# KiCad board gd rev3.kicad_pcb (continued)
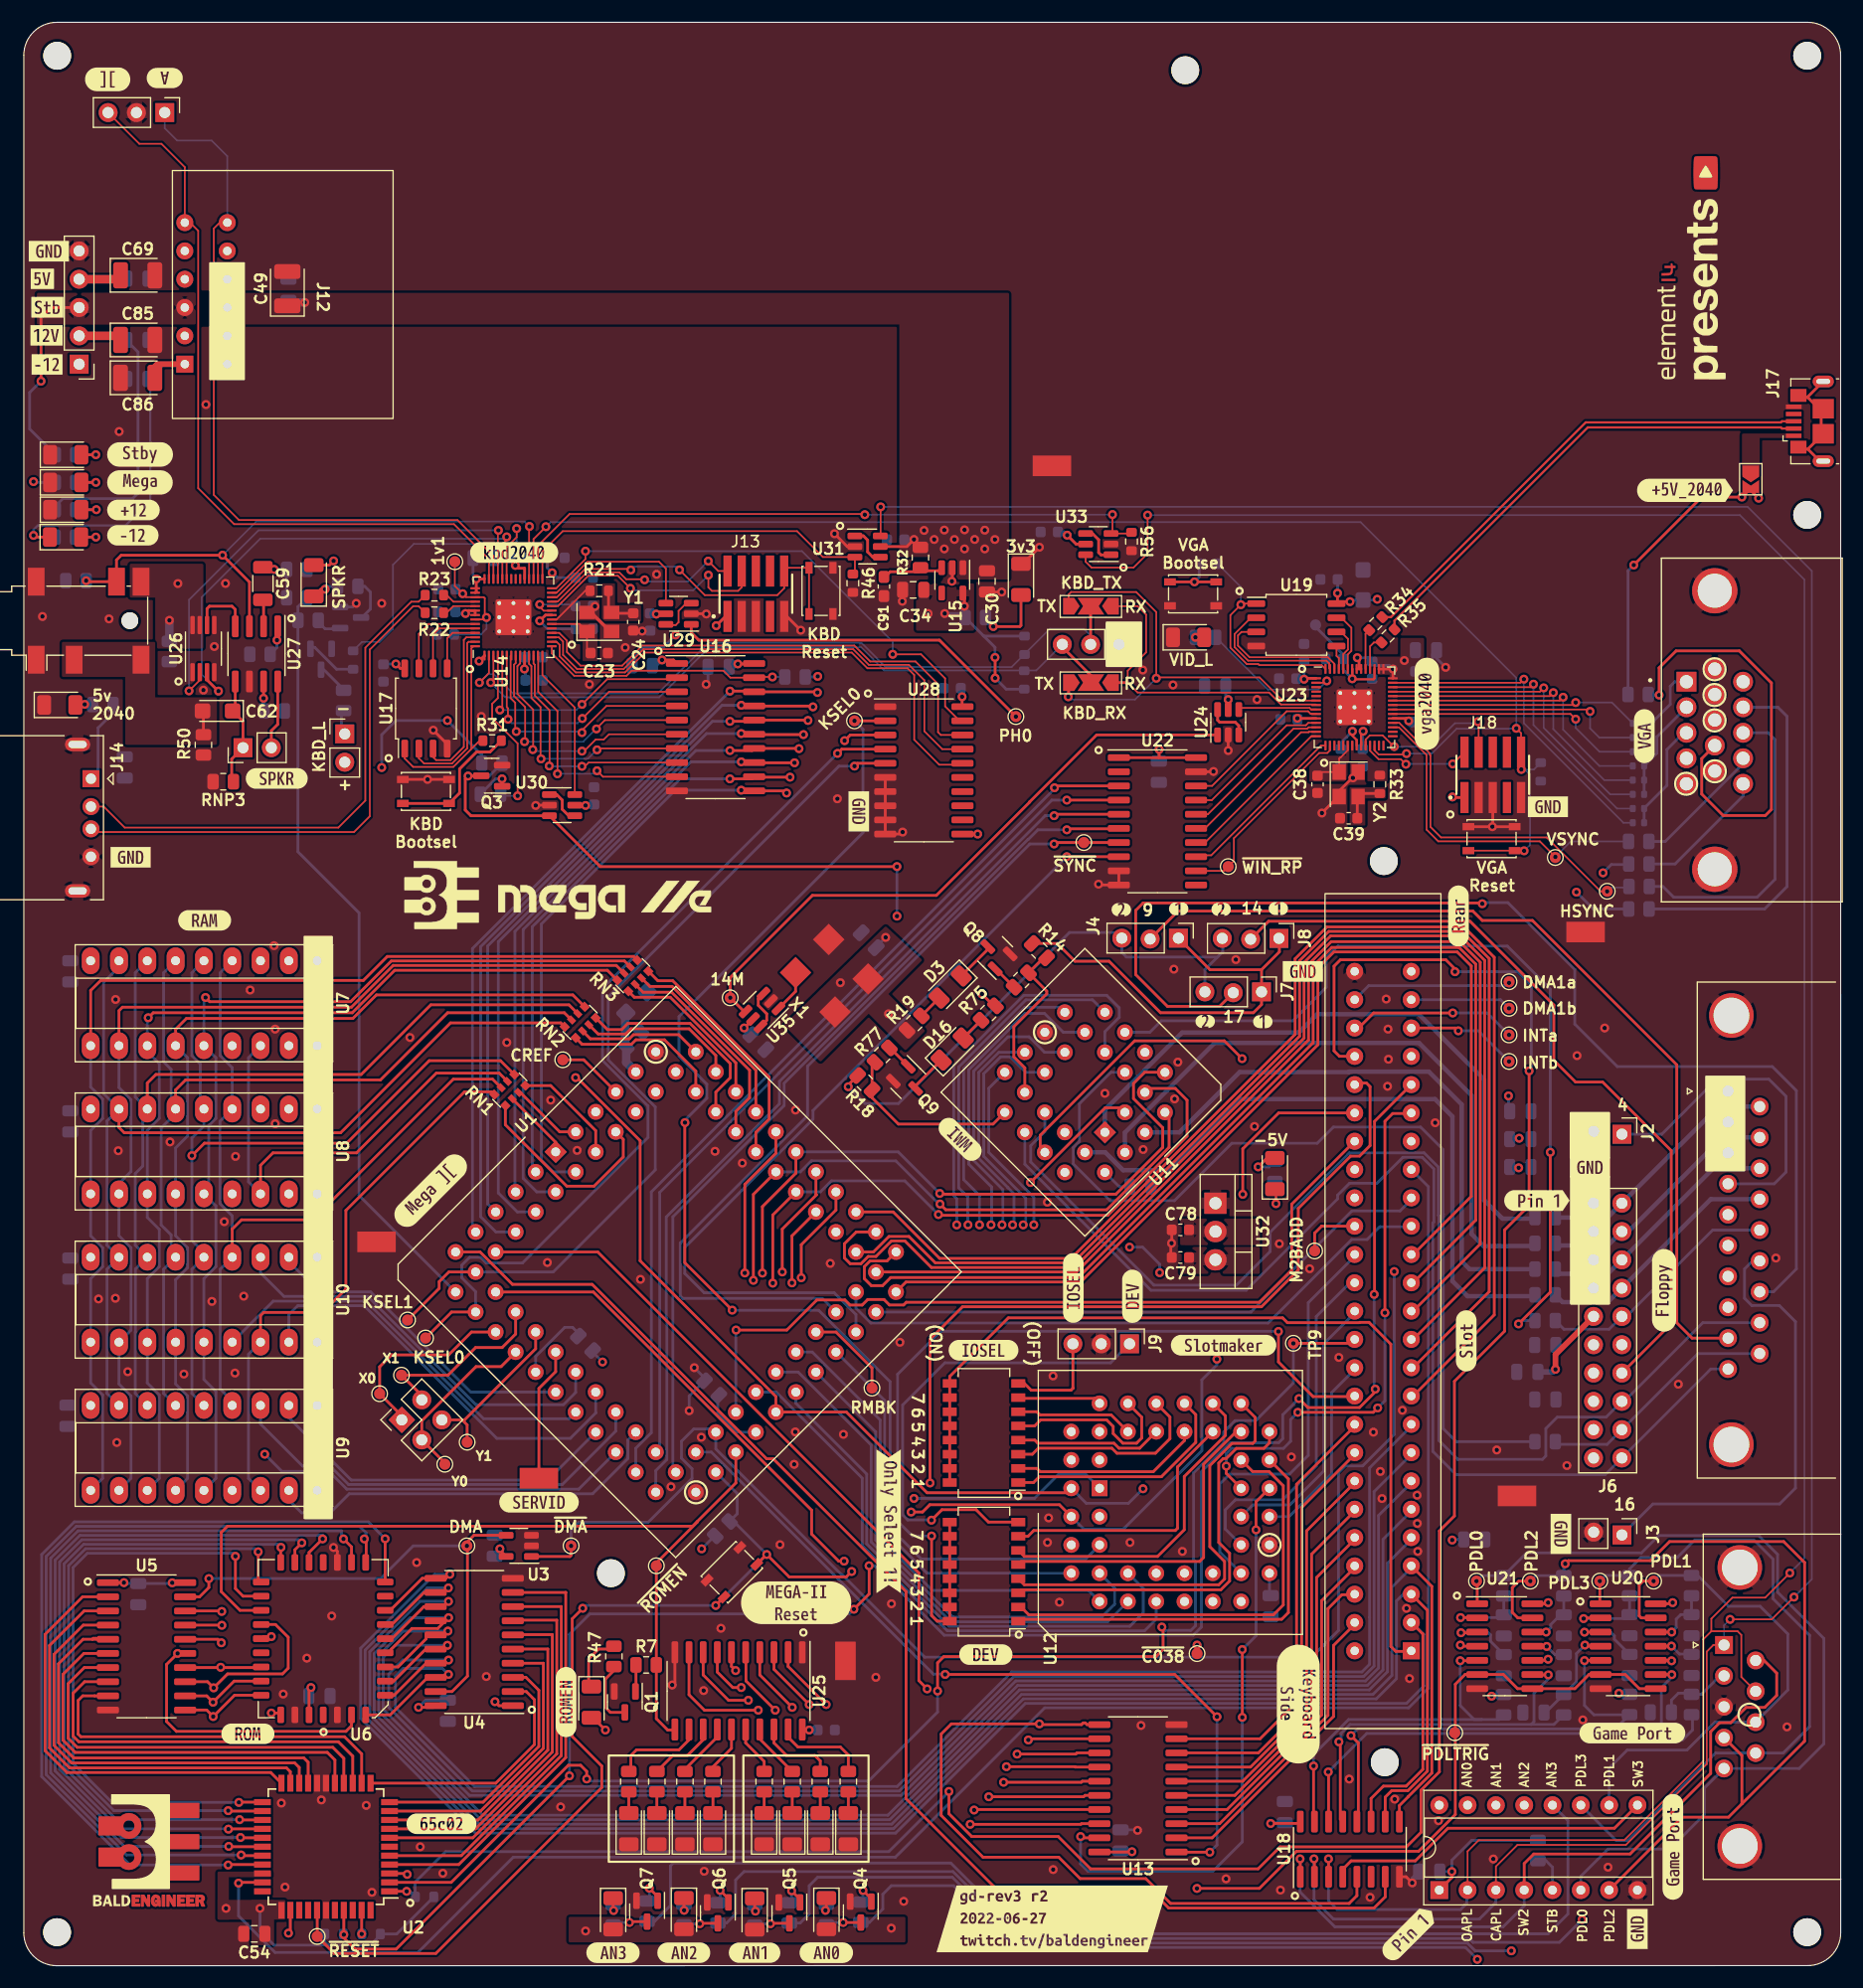
[diagram p0: board, top side]
## Routing (per net, layer and track width the routed paths; a pad name or vN(x,y) marks a point on that pad's centre or on a via; arc(x,y) is an arc through that point) (continued)
  Bottom w0.25: v1(82.18,69.29) 78.45,73.02 U1.64 ; v1(38.1,32.69) 35.56,32.69 31.04,28.16 31.04,22.52 40.86,12.7 77.87,12.7 89.51,24.34 121.04,24.34 122.76,26.06 122.76,33.98 124.6,35.83
/IWM/BA3: length 250.8
  Top w0.25: v1(38.11,31.23) 37.15,30.26 34.83,30.26 32.99,28.42 32.99,28.08 ; U1.63 67.2,67.36 v1(67.2,61.25) ; 100.94,78.72 103.31,78.72 104.37,77.66 104.37,74.44 97.26,67.33 82.14,67.33 v1(82.06,67.4)
  In1.Cu w0.25: v1(38.11,31.23) 45.18,24.16 50.23,24.16 70.26,44.19 70.26,51.88 67.2,54.94 v1(67.2,61.25)
  Bottom w0.25: v1(38.11,31.23) 34.67,31.23 31.44,28 31.44,22.69 41.03,13.1 77.69,13.1 89.33,24.74 120.71,24.74 122.35,26.38 122.35,36.12 124.6,38.37 ; U1.63 71.47,69.43 72.46,70.42 79.04,70.42 82.06,67.4 v1(82.06,67.4)
/IWM/BA4: length 209.4
  Top w0.25: U1.62 71.07,69.22 71.12,69.17 68.05,66.1 v1(68.05,62.25) ; 36.09,29.68 36.09,29.32 33.58,26.81 32.57,26.81 ; v1(38.05,30.03) 37.71,29.68
  In1.Cu w0.25: v1(38.05,30.03) 38.05,29.66 40.34,27.38 40.34,23.38 41.27,22.45 49.09,22.45 70.99,44.35 70.99,51.72 68.05,54.66 v1(68.05,62.25)
  Bottom w0.25: v1(38.05,30.03) 34.04,30.03 31.85,27.83 31.85,22.85 41.19,13.5 77.52,13.5 89.17,25.15 120.55,25.15 121.95,26.55 121.95,38.26 124.6,40.91
/IWM/BA5: length 206.3
  Top w0.25: v1(68.92,61.27) 68.92,65.49 U1.61 ; 32.56,25.54 33.19,25.54 36.06,28.41 37.67,28.41 v1(38.01,28.75)
  In1.Cu w0.25: v1(68.92,61.27) 68.92,57.04 72.15,53.81 72.15,44.94 49.26,22.05 41.11,22.05 39.94,23.22 39.94,23.22 39.63,23.53 39.63,27.13 v1(38.01,28.75)
  Bottom w0.25: 124.6,43.45 121.55,40.39 121.55,26.72 120.38,25.55 89,25.55 78.73,15.28 39.99,15.28 32.25,23.02 32.25,27.67 33.33,28.75 v1(38.01,28.75)
/IWM/BA6: length 207.7
  Top w0.25: v1(38.11,27.43) 37.83,27.14 36.1,27.14 33.23,24.27 32.56,24.27 ; v1(69.75,61.73) 69.75,64.69 72.87,67.81 U1.60
  In1.Cu w0.25: v1(38.11,27.43) 39.04,26.5 39.04,23.55 39.53,23.05 39.53,23.05 40.94,21.64 49.42,21.64 72.55,44.77 72.55,53.98 69.75,56.78 v1(69.75,61.73)
  Bottom w0.25: v1(38.11,27.43) 34,27.43 32.75,26.18 32.75,23.18 39.35,16.58 40.25,15.68 78.56,15.68 88.83,25.95 120.22,25.95 121.15,26.88 121.15,42.53 124.6,45.99
/IWM/BA7: length 207.5
  Top w0.25: U6.4 32.88,22.51 36.24,25.87 37.84,25.87 v1(38.1,26.14)
  In1.Cu w0.25: U1.59 70.53,63.5 70.53,58.8 74.67,54.66 74.67,46.17 49.73,21.24 40.77,21.24 38.57,23.45 38.57,25.67 v1(38.1,26.14)
  Bottom w0.25: v1(38.1,26.14) 37.56,26.68 34.05,26.68 33.35,25.98 33.35,23.18 40.44,16.08 78.36,16.08 88.64,26.36 120.05,26.36 120.75,27.05 120.75,31.26 120.75,44.67 124.6,48.53
/IWM/BA8: length 248.1
  Top w0.25: 124.6,51.07 131.93,58.4 131.93,90.48 129.2,93.21 116.92,93.21 114.06,90.35 114.06,83.56 93.96,63.47 82.17,63.47 78,67.64 U1.58 ; U5.11 16.41,22.94 v1(17,22.36) 18.91,24.27 U6.29 ; v1(71.99,23.43) 68.58,26.85 U25.2
  In1.Cu w0.25: v1(17,22.36) 21.41,17.95 66.31,17.95 71.8,23.43 v1(71.99,23.43) 72.75,24.2 72.75,36.78 81.37,45.4 81.37,67.88 80.15,69.1 76.13,69.1 U1.58
/IWM/BA9: length 243.1
  Top w0.25: U1.57 76.23,64.04 77.62,65.43 79.42,65.43 81.78,63.07 94.13,63.07 114.46,83.4 114.46,90.18 117.09,92.81 129.04,92.81 131.47,90.37 131.47,60.48 124.6,53.61 ; U6.28 18.87,25.54 v1(16.98,23.64) 16.41,24.21 U5.12 ; U25.3 67.31,26.6 v1(70.47,23.43)
  In1.Cu w0.25: U1.57 74.66,65.78 76.05,67.17 80.25,67.17 80.86,66.56 80.86,45.76 72.14,37.04 72.14,25.11 v1(70.47,23.43) 65.38,18.35 22.27,18.35 v1(16.98,23.64)
/IWM/BA10: length 246.9
  Top w0.25: U25.4 66.04,26.09 v1(68.94,23.18) ; U6.24 22.58,30.62 23.72,29.48 23.72,26.7 23.21,26.18 18.29,26.18 v1(17.04,24.93) 16.49,25.48 U5.13 ; U1.56 74.69,65.84 73.63,64.77 73.63,63.51 74.15,62.99 75.11,62.99 75.76,63.64 76.45,63.64 77.85,65.03 79.05,65.03 81.44,62.65 94.28,62.65 114.86,83.23 114.86,90.02 117.25,92.4 128.87,92.4 131.07,90.2 131.07,62.62 124.6,56.15
  In1.Cu w0.25: v1(17.04,24.93) 23.22,18.75 64.52,18.75 v1(68.94,23.18) 71.74,25.97 71.74,37.21 80.13,45.6 80.13,65.13 79.42,65.84 U1.56
/IWM/BA11: length 221.4
  Top w0.25: U5.14 17.64,26.75 v1(17.66,26.78) 17.69,26.75 21.25,26.75 ; 76.46,62.25 94.45,62.25 115.27,83.07 115.27,89.85 117.3,91.89 128.82,91.89 130.67,90.04 130.67,64.76 124.6,58.69 ; 64.8,28.09 64.8,25.55 v1(67.42,22.93)
  In1.Cu w0.25: U1.55 77.17,62.96 78.84,62.96 79.55,62.25 79.55,45.73 71.34,37.51 71.34,26.84 v1(67.42,22.93) 63.67,19.18 24.25,19.18 18.37,25.05 18.37,26.35 17.95,26.78 v1(17.66,26.78)
/IWM/BA12: length 244.1
  Top w0.25: 124.6,61.23 130.27,66.89 130.27,89.87 128.77,91.37 117.35,91.37 115.68,89.69 115.68,82.82 94.61,61.75 77.78,61.75 77.05,61.02 76.04,61.02 75.42,61.65 75.42,62.73 75.93,63.24 77.45,63.24 U1.54 ; v1(63.86,26.48) 63.5,26.85 U25.6 ; U6.3 29.4,21.53 28.9,21.03 13.7,21.03 12.81,21.91 12.81,27.03 v1(13.8,28.02)
  In1.Cu w0.25: v1(13.8,28.02) 13.8,31.11 16.26,33.57 27.88,33.57 40.66,20.79 50.74,20.79 56.44,26.48 v1(63.86,26.48) 68.85,31.46 68.85,39.08 75.26,45.5 75.26,54.63 71.29,58.6 71.29,59.12 76.22,64.04 U1.54
/IWM/BA13: length 221.6
  Top w0.25: U25.7 62.23,26.34 63.61,24.96 v1(64.37,24.96) ; v1(17.72,28.98) 17.41,29.29 U5.16 ; U1.53 79.15,61.35 94.82,61.35 116.11,82.64 116.11,89.53 117.54,90.96 128.61,90.96 129.87,89.7 129.87,69.03 124.6,63.77 ; v1(22.21,22.67) 22.89,22.67
  In1.Cu w0.25: v1(22.21,22.67) 22.21,22.68 19.41,25.48 19.41,27.24 17.72,28.94 v1(17.72,28.98) 16.6,28.98 15.9,29.68 15.9,32.64 16.43,33.17 27.71,33.17 40.5,20.38 59.8,20.38 v1(64.37,24.96) 69.35,29.93 69.35,38.46 75.73,44.84 75.73,57.42 73.31,59.84 73.31,60.54 74.22,61.45 75.29,61.45 76.29,60.45 U1.53
/IWM/BA14: length 166.6
  Top w0.25: U25.8 60.96,26.09 63.23,23.82 v1(65.01,23.82) ; U5.17 17.76,30.56 v1(17.77,30.55)
  In1.Cu w0.25: U1.52 74.66,59.05 76.8,56.92 76.8,45 69.96,38.17 69.96,28.77 v1(65.01,23.82) 61.17,19.98 40.27,19.98 27.73,32.52 16.68,32.52 16.46,32.3 16.46,30.73 16.64,30.55 v1(17.77,30.55)
  Bottom w0.25: 124.6,66.31 121.67,66.31 120.52,65.16 119.14,65.16 111.65,57.67 76,57.67 74.66,59 U1.52
/IWM/BA15: length 161.8
  Top w0.25: v1(65.9,22.93) 61.07,22.93 59.69,24.31 U25.9 ; U5.18 17.72,31.83 v1(17.76,31.79)
  In1.Cu w0.25: v1(17.76,31.79) 29.97,19.58 62.55,19.58 v1(65.9,22.93) 70.94,27.97 70.94,38.04 77.54,44.64 77.54,57.58 U1.51
  Bottom w0.25: 124.6,68.85 123.48,67.72 119.16,67.72 110.1,58.66 U1.51
/IWM/bEN1: length 39.2
  Top w0.25: 111.05,89.37 112.65,90.97 112.65,92.71 ; 111.05,89.37 106.43,89.37 J4.1 ; 111.05,89.37 J7.1 111.05,86.24 110.32,85.51 101.99,85.51 97.37,90.13 94.31,90.13 92.72,91.72 R14.1
/IWM/bEN2: length 49.4
  Top w0.25: v1(73.97,78.87) 73.97,79.03 R18.1
  Bottom w0.25: 107.11,90.51 98.92,90.51 98.52,90.91 98.52,92.71 93.82,92.71 78.47,77.36 75.48,77.36 v1(73.97,78.87) ; J7.3 105.97,89.37 107.57,90.97 107.57,92.71
/IWM/bWDATA: length 21.5
  Bottom w0.25: 137.65,46.78 142.06,46.78 J6.18 150.21,54.93 J5.19
/IWM/bWREQ: length 21.9
  Bottom w0.25: J6.10 142.23,57.11 138.18,57.11 R15.1 ; J5.15 151.53,66.01 143.78,58.26
/IWM/DB19-4: length 29.8
  Bottom w0.25: J5.4 157.05,70.16 158.11,71.22 158.11,78.01 156.57,79.55 151.9,79.55 146.96,74.61 J2.1
/IWM/DB19-16: length 41.3
  Bottom w0.25: J3.1 146.16,41.43 157.53,41.43 158.96,42.86 158.96,57.79 157.51,59.24 155.04,59.24 154.39,59.89 154.39,62.52 155.11,63.24
/IWM/EN1: length 14.9
  Top w0.25: 91.48,90.43 R76.1 91.78,87.45 91.78,87.21 88.82,84.25 88.82,81.55 89.81,80.56 U11.20
/IWM/EN2: length 16.2
  Top w0.25: 76.11,80.8 R18.2 76.11,77.88 78.47,75.52 86.96,75.52 U11.19
/IWM/MD0: length 449.5
  Top w0.25: v1(63.36,114.37) 65.46,114.37 ; v1(84.91,12.69) 94.84,12.69 94.89,12.74 U13.18 ; v1(71.21,114.24) 71.15,114.3 65.52,114.3 ; U2.30 18.38,9.08 v1(18.34,9.03) ; v1(32.42,38.31) 32.42,34.43
  In1.Cu w0.25: 5.39,41.01 6.28,41.01 ; 5.39,41.01 5.39,41 4.46,41 4.45,41.01 4.17,41.01 3.75,41.43 3.75,65.4 4.33,65.98 20.51,65.98 U8.17 ; 5.39,41.01 5.59,41.01 ; 23.78,69.65 26.23,72.1 30.44,72.1 50.68,92.34 63.09,92.34 72.08,101.33 72.08,113.37 v1(71.21,114.24) ; 6.28,41.01 6.65,41.01 6.99,41.01 7,41 8,41 8.06,41.04 8.36,41 30.78,41 32.44,39.34 32.42,39.32 v1(32.42,38.31) ; 6.28,41.01 6.28,41.01 6.47,41.01 ; v1(84.91,12.69) 83.68,13.92 83.68,66.45 v1(83.7,66.47) 83.7,70.38 83.37,70.72 76.28,70.72 70.17,64.61 43.58,64.61 42.35,65.84 U1.9
  Bottom w0.25: v1(83.7,66.47) 83.7,68.82 83.43,69.09 83.43,80.78 89.72,87.07 97.16,87.07 98.28,85.95 98.28,85.09 97,83.81 U11.10 ; v1(18.34,9.03) 9.55,9.03 1.61,16.97 1.61,36.89 4.54,39.82 30.91,39.82 v1(32.42,38.31) ; v1(63.36,114.37) 40.26,91.27 40.26,66.12
/IWM/MD1: length 430.8
  Top w0.25: 30.72,36.23 30.72,38.11 30.55,38.28 v1(30.55,38.3) ; v1(70.8,112.95) 70.73,113.02 65.53,113.02 ; 64.12,113.1 65.46,113.1 ; v1(85.26,13.97) 85.31,14.01 U13.17 ; v1(19.5,9.93) 19.56,9.88 U2.29
  In1.Cu w0.25: U1.8 70.74,65.84 76.02,71.12 83.89,71.12 84.71,70.3 v1(84.71,66.47) 84.71,14.52 v1(85.26,13.97) ; v1(30.55,38.3) 30.55,38.74 28.74,40.56 4.06,40.56 3.35,41.26 3.35,65.57 4.38,66.6 16.05,66.6 U8.15 ; 18.7,69.65 22.21,73.16 30.94,73.16 50.52,92.74 62.92,92.74 71.67,101.49 71.67,112.08 v1(70.8,112.95)
  Bottom w0.25: v1(84.71,66.47) 84.68,66.5 84.68,69 83.88,69.8 83.88,80.63 89.92,86.67 95.88,86.67 U11.11 ; v1(19.5,9.93) 9.22,9.93 2.01,17.14 2.01,36.73 4.71,39.42 30.13,39.42 30.71,38.84 30.71,38.45 v1(30.55,38.3) ; 64.12,113.1 62.66,113.1 40.99,91.43 40.99,67.21 42.35,65.84 U1.8
  vias: v1(64.37,113.1)
/IWM/MD2: length 428.5
  Top w0.25: v1(63.36,111.66) 65.42,111.66 ; U13.16 95.21,15.28 95.08,15.16 v1(86.58,15.16) ; U16.16 70.33,111.76 v1(70.36,111.73) ; U2.28 18.42,10.68 v1(18.39,10.7) ; U6.15 29.4,37.58 v1(28.68,38.3)
  In1.Cu w0.25: U1.7 44.23,67.64 45.49,66.38 68.32,66.38 74.03,72.08 83.8,72.08 85.75,70.14 v1(85.75,66.47) 85.75,15.99 v1(86.58,15.16) ; v1(28.68,38.3) 28.43,38.3 26.62,40.1 3.94,40.1 2.94,41.1 2.94,77.29 4.75,79.1 19.01,79.1 U8.3 ; v1(70.36,111.73) 71.27,110.82 71.27,101.66 62.76,93.14 50.35,93.14 30.84,73.63 22.2,73.63 21.24,74.58 21.24,76.47
  Bottom w0.25: U11.12 92.96,86 89.82,86 84.33,80.51 84.33,70.53 85.75,69.11 v1(85.75,66.47) ; v1(18.39,10.7) 9.02,10.7 2.41,17.31 2.41,36.56 4.87,39.02 28.51,39.02 28.51,38.47 v1(28.68,38.3) ; U1.7 41.62,68.35 41.62,91.5 61.78,111.66 v1(63.36,111.66)
/IWM/MD3: length 416.9
  Top w0.25: v1(19.44,11.5) 19.47,11.48 U2.27 ; v1(69.95,110.46) 65.55,110.46 ; v1(87.91,16.46) 94.87,16.46 94.97,16.55 U13.15 ; U6.18 25.59,37.08 v1(26.81,38.3)
  In1.Cu w0.25: U1.6 68.94,67.64 73.85,72.55 84,72.55 86.78,69.77 v1(86.78,66.47) 86.78,17.54 87.86,16.46 v1(87.91,16.46) ; v1(69.95,110.46) 70.87,109.55 70.87,101.83 62.59,93.55 50.19,93.55 30.67,74.03 26.22,74.03 23.78,76.47 ; U8.2 21,79.65 4.73,79.65 2.54,77.46 2.54,40.94 3.78,39.7 25.23,39.7 26.84,38.09
  Bottom w0.25: U1.6 44.28,67.64 42.58,69.34 42.58,91.88 61.25,110.56 v1(64.37,110.56) ; U11.13 93.26,83.76 91.57,85.45 89.84,85.45 84.78,80.39 84.78,71.93 86.83,69.88 86.83,66.39 ; v1(19.44,11.5) 8.79,11.5 2.82,17.47 2.82,36.4 5.04,38.62 26.81,38.62 v1(26.81,38.3)
/IWM/MD4: length 398.8
  Top w0.25: v1(69.55,109.2) 69.53,109.22 U16.14 65.33,109.03 v1(63.36,109.03) ; v1(24.94,37.94) 24.32,37.32 U6.19 ; U2.26 18.38,12.28 v1(18.36,12.25) ; U13.14 94.35,17.82 94.31,17.86 v1(88.16,17.86)
  In1.Cu w0.25: 23.78,82.95 27.27,86.44 37.76,86.44 45.27,93.95 62.42,93.95 70.47,101.99 70.47,108.29 v1(69.55,109.2) ; U1.5 45.98,69.43 47.29,68.12 66.47,68.12 71.3,72.95 84.2,72.95 87.76,69.38 v1(87.76,66.47) 87.76,66.47 87.76,18.26 v1(88.16,17.86) ; 24.96,37.77 23.43,39.3 3.61,39.3 2.14,40.77 2.14,77.62 4.61,80.1 21.33,80.1 U7.17
  Bottom w0.25: 44.07,69.49 44.07,92.8 60.3,109.03 v1(63.36,109.03) ; v1(18.36,12.25) 18.33,12.28 8.57,12.28 3.22,17.64 3.22,36.23 5.21,38.22 24.67,38.22 v1(24.94,37.94) ; U11.15 91.58,81.96 90.19,83.35 88.31,83.35 85.23,80.27 85.23,72.25 87.84,69.64 87.84,66.39
/IWM/MD5: length 380.7
  Top w0.25: v1(23.07,37.54) 23.05,37.52 U6.20 ; v1(19.36,13.1) 19.39,13.08 U2.25 ; v1(69.15,107.93) 65.54,107.93 ; U13.13 94.48,19.09 94.38,18.99 v1(89.12,18.99)
  In1.Cu w0.25: v1(69.15,107.93) 70.04,107.05 70.04,102.13 62.26,94.35 45.1,94.35 37.59,86.84 22.21,86.84 18.72,83.35 ; U1.4 67.15,69.43 71.07,73.35 84.36,73.35 88.72,69 v1(88.72,66.47) 88.84,66.35 88.84,19.27 v1(89.12,18.99) ; U7.15 16.7,80.55 4.49,80.55 1.74,77.79 1.74,77.53 1.74,42.89 1.74,40.6 3.44,38.9 21.78,38.9 23.09,37.59
  Bottom w0.25: U11.16 87.49,81.96 85.68,80.15 85.68,72.44 88.29,69.83 88.29,69.82 88.84,69.26 88.84,66.45 ; v1(23.07,37.54) 22.8,37.81 5.37,37.81 3.62,36.06 3.62,17.81 8.32,13.1 v1(19.36,13.1) ; U1.4 46.02,69.43 44.81,70.65 44.81,92.98 59.85,108.02 v1(64.37,108.02)
/IWM/MD6: length 385.5
  Top w0.25: v1(63.36,106.49) 65.33,106.49 65.52,106.68 ; v1(68.75,106.64) 65.56,106.64 ; U2.24 18.38,13.88 v1(18.34,13.91) ; U13.12 90.23,20.36 v1(90.13,20.26) ; v1(21.03,37.14) 21.03,34.7 U6.21
  In1.Cu w0.25: U1.3 47.72,71.23 48.95,70 64.84,70 68.85,74.02 84.27,74.02 89.67,68.62 v1(89.67,66.47) 89.87,66.27 89.87,20.51 v1(90.13,20.26) ; v1(21.03,37.14) 20.99,37.14 19.64,38.49 3.28,38.49 1.33,40.44 1.33,87.98 5.91,92.56 18.97,92.56 21.33,90.2 ; 21.24,89.77 21.24,88.2 22.19,87.26 37.44,87.26 44.93,94.75 62.03,94.75 69.54,102.26 69.54,105.85 v1(68.75,106.64)
  Bottom w0.25: v1(63.36,106.49) 58.89,106.49 45.62,93.22 45.62,71.54 ; v1(18.34,13.91) 8.08,13.91 4.02,17.97 4.02,35.9 5.54,37.41 20.76,37.41 v1(21.03,37.14) ; U11.17 89.88,80.17 88.5,81.55 87.64,81.55 86.13,80.03 86.13,72.62 89.89,68.86 89.89,66.45
/IWM/MD7: length 430.6
  Top w0.25: U2.23 19.32,14.68 v1(19.3,14.65) ; U16.11 68.25,105.41 v1(68.44,105.22) ; v1(64.37,105.48) 65.46,105.48 ; U6.22 19.67,33.16 18.99,33.84 v1(18.99,36.74) ; 119.61,7.98 119.61,6.29 118.91,5.59 102.9,5.59 100.67,7.82 94.78,7.82 92.86,9.74 86.06,9.74 82.31,13.49 82.31,20.79 83.22,21.7 v1(91.12,21.7) 91.18,21.63 94.9,21.63 95.05,21.79 95.24,21.79 95.39,21.63 U13.11
  In1.Cu w0.25: 23.8,90.17 26.27,87.7 37.31,87.7 44.77,95.15 61.86,95.15 68.88,102.17 68.88,104.78 v1(68.44,105.22) ; v1(91.12,21.7) 90.91,21.91 90.91,42.81 90.9,42.82 90.9,66.2 v1(90.62,66.47) 90.62,68.25 84.46,74.42 68.69,74.42 65.5,71.23 U1.2 ; 23.78,90.24 23.78,91.63 22.4,93.01 5.79,93.01 0.93,88.15 0.93,40.27 3.11,38.09 18.19,38.09 18.99,37.29 v1(18.99,36.74)
  Bottom w0.25: v1(18.99,36.74) 18.71,37.01 5.71,37.01 4.42,35.73 4.42,18.14 7.91,14.65 v1(19.3,14.65) ; v1(90.62,66.47) 90.62,68.94 86.58,72.98 86.58,78.73 U11.18 ; U1.2 47.52,71.23 46.44,72.3 46.44,93.47 58.45,105.48 v1(64.37,105.48)
/IWM/PHa: length 58
  Bottom w0.4: U11.1 97,76.79 97.29,77.08 97.29,77.09 103.93,83.73 114.38,83.73 116.03,85.37 125.17,85.37 131.03,79.52 131.03,68.68 132.67,67.04 135.49,67.04
/IWM/PHb: length 56.5
  Bottom w0.4: 135.34,64.58 130.98,64.58 129.89,65.67 129.89,78.09 125.18,82.8 106.84,82.8 98.79,74.75 U11.28
/IWM/PHc: length 52.8
  Bottom w0.4: 135.57,62.5 129.72,62.5 129.01,63.21 129.01,77.28 126.06,80.22 118.92,80.22 118.88,80.18 109.08,80.18 103.68,74.78 U11.2
/IWM/PHd: length 59.5
  Bottom w0.4: U11.27 97.03,72.98 98.63,71.38 102.86,71.38 109.24,77.75 126.62,77.75 128.18,76.2 128.18,61.43 129.53,60.08 135.46,60.08
/IWM/Q3: length 74.8
  In1.Cu w0.25: U1.80 59.92,76.62 61.11,75.43 63.1,75.43 63.48,75.81 65.09,75.81 65.67,75.23 66.49,75.23 67.07,75.81 86.28,75.81 90.9,71.18 U11.25 93.4,60.18 95.4,58.19 95.4,53.78 95.45,53.78 97.82,51.41 97.82,41.59 U12.3
/IWM/RDATA: length 112.9
  Bottom w0.25: U11.22 91.61,74.85 90.34,73.58 90.34,72.12 101.39,61.07 108.81,61.07 111.83,64.09 111.83,65.83 118.94,72.94 125.63,72.94 126.91,71.66 126.91,67.33 126.96,67.28 126.96,47.13 128.66,45.44 136.26,45.44 136.56,45.74 136.56,48.2 137.58,49.22 141.96,49.22 J6.16 ; J5.18 150.65,57.7 143.59,50.64
/IWM/seek0: length 22.5
  Bottom w0.4: J5.11 152.05,77.09 J6.2 142.09,67.13 137.41,67.13
/IWM/seek1: length 21.6
  Bottom w0.4: J5.12 152.4,74.32 143.96,65.88 ; 137.6,64.62 142.12,64.62 J6.4
/IWM/seek2: length 22.4
  Bottom w0.4: R16.1 137.83,62.08 142.12,62.08 J6.6 151.59,71.55 J5.13
/IWM/seek3: length 22.4
  Bottom w0.4: R12.1 138.06,59.54 142.12,59.54 J6.8 151.36,68.78 J5.14
/IWM/SENSE: length 106.5
  Bottom w0.25: J5.10 151.36,53.54 J6.20 141.88,44.06 128.51,44.06 126.42,46.14 126.42,66.64 126.51,66.73 126.51,71.5 125.47,72.54 123.73,72.54 121.4,70.21 118.95,70.21 117.88,69.14 117.88,68.81 109.68,60.61 101.12,60.61 89.81,71.92 U11.21
/IWM/WDATA: length 82.6
  Bottom w0.25: R11.2 128.52,47.02 127.36,48.18 127.36,67.45 127.34,67.47 127.34,73.23 125.32,75.25 117.49,75.25 116.04,73.8 108.38,73.8 103.23,68.65 97.46,68.65 94.16,71.95 94.16,73.41 94.71,73.96 94.71,77.34 97.54,80.17 98.62,80.17
/IWM/WREQ: length 77.3
  Top w0.25: v1(136.96,72.99) 136.96,60.44 v1(134.11,57.59)
  Bottom w0.25: v1(136.96,72.99) 136.96,87.64 133.11,91.49 117.91,91.49 116.86,90.44 116.86,87.79 113.86,84.79 102.06,84.79 101.03,83.76 U11.9 ; R15.2 134.4,57.88 v1(134.11,57.59)
/IWM/~{INTDEV6}: length 58.4
  In1.Cu w0.25: v1(101.91,62.19) 105.64,58.45 105.64,46.87 101.6,42.83 U12.12 ; U11.7 104.13,81.96 105.36,80.74 105.36,76.19 99.21,70.04 v1(99.21,64.48)
  Bottom w0.25: v1(101.91,62.19) 101.91,62.95 100.38,64.48 v1(99.21,64.48)
/IWM/~{RESET}: length 297.3
  Top w0.25: v1(109.37,69.22) 109.37,73.3 112.59,76.52 J10.31 ; v1(62.09,32.32) 62.09,32.35 SW1.2 ; v1(78.34,98.62) 51.73,98.62 U30.3 40.12,103.18 39.61,103.7 39.61,106.49 v1(39.86,106.75) 41.02,106.75 ; v1(109.31,81.39) 107.71,82.99 99.67,82.99 91.2,74.52 91.2,73.39 ; 26.33,4.96 TP25.1 27.86,1.1 36.97,1.1 51.86,15.99 51.86,17.92 49.21,20.57 49.21,31.13 v1(50.15,32.07) ; SW1.2 66.64,36.9 v1(66.66,36.9) 68.66,34.89 73.8,34.89 v1(74.28,35.37) ; v1(79.61,40.71) 80.63,40.71 81.28,41.36 92.92,41.36 U12.2
  In1.Cu w0.25: v1(74.28,35.37) 74.28,35.75 79.23,40.71 v1(79.61,40.71) ; v1(107.04,54.42) 111.42,58.79 111.42,67.17 v1(109.37,69.22) ; J10.31 112.04,76.52 112.01,76.49 109.31,79.19 v1(109.31,81.39) 109.31,81.5 102.22,88.59 83.93,88.59 v1(78.34,94.17)
  Bottom w0.25: R53.1 41.76,106.75 v1(39.86,106.75) ; v1(50.15,32.07) 50.4,32.32 v1(62.09,32.32) v1(66.66,36.9) 63.69,39.86 ; U12.2 95.1,39.18 98.66,39.18 105.69,46.21 105.69,52.56 107.04,53.91 v1(107.04,54.42) ; v1(78.34,98.62) v1(78.34,94.17) ; U1.35 64.01,42.37 64.01,40.55 R4.2
/KBD_RX_SCL: length 62.4
  Top w0.152: U14.3 42.13,115.24 42.02,115.13 v1(41.89,115.13)
  Top w0.25: 93.18,118.33 95.74,115.76 JP2.2
  Bottom w0.152: J21.3 90.84,116.22 77.2,116.22 75.12,118.3 61.5,118.3 57.01,113.81 43.21,113.81 v1(41.89,115.13)
/KBD_TX_SDA: length 67.3
  Top w0.152: v1(40.88,115.13) 41.73,115.99 U14.2
  Top w0.25: J21.2 95.72,121.96
  Bottom w0.152: J21.2 95.72,119.34 95.11,119.95 92.06,119.95 88.63,116.53 77.33,116.53 75.17,118.68 61.41,118.68 56.89,114.16 43.88,114.16 42.15,115.89 41.64,115.89 v1(40.88,115.13)
/mega-6502/14M: length 67.1
  Top w0.25: TP21.1 63.38,88.66 70.76,96.04 81.88,96.04 90.25,104.41 90.25,104.43 96.26,110.44 U24.1 ; 64.62,85.62 v1(63.39,86.86)
  In1.Cu w0.25: v1(63.39,86.86) 59.78,86.86 58.5,85.58 U1.76
/mega-6502/14M_Prime: length 3.9
  Top w0.25: X1.3 69.25,87.42 U35.1
/mega-6502/A0: length 39.4
  Top w0.25: U2.4 39.02,9.08 48.63,18.68 48.63,33.49 48.62,33.49 U4.9
/mega-6502/A1: length 36.9
  Top w0.25: 43.88,32.23 48.23,32.23 48.23,18.85 39.26,9.88 U2.5
/mega-6502/A2: length 34
  Top w0.25: 43.93,31.01 47.82,31.01 47.82,19.01 40.29,11.48 U2.7
/mega-6502/A3: length 31.5
  Top w0.25: U2.8 40.52,12.28 47.42,19.18 47.42,29.71 43.9,29.71
/mega-6502/A4: length 29
  Top w0.25: U2.9 40.75,13.08 47.02,19.35 47.02,28.42 43.88,28.42
/mega-6502/A5: length 26.5
  Top w0.25: U2.10 40.98,13.88 46.62,19.51 46.62,27.14 U4.4
/mega-6502/A6: length 23.3
  Top w0.25: U2.11 41.21,14.68 46.22,19.68 46.22,24.71 45.05,25.87 U4.3
/mega-6502/A7: length 22.4
  Top w0.25: U4.2 45.08,24.6 45.81,23.87 45.81,19.84 42.35,16.38 U2.12
/mega-6502/A8: length 34.7
  Top w0.25: U2.13 30.31,19.01 28.78,20.54 5.12,20.54 4.87,20.79 4.87,23.8 5.29,24.22 6.36,24.22 6.36,24.21 U5.9
/mega-6502/A9: length 35.7
  Top w0.25: U5.8 5.46,25.48 4.42,24.45 4.42,20.61 4.94,20.09 28.22,20.09 29.51,18.8 U2.14
/mega-6502/A10: length 36.8
  Top w0.25: U2.15 28.71,18.61 27.72,19.6 4.8,19.6 3.97,20.42 3.97,25.3 5.43,26.75 U5.7
/mega-6502/A11: length 37.9
  Top w0.25: U2.16 27.91,18.46 27.23,19.14 4.62,19.14 3.52,20.24 3.52,26.14 5.4,28.02 U5.6
/mega-6502/A12: length 37.9
  Top w0.25: 6.57,29.29 6.49,29.37 6.25,29.37 6.16,29.29 ; 6.16,29.29 U5.5 ; 6.16,29.29 5.32,29.29 3.11,27.09 3.11,20.01 4.48,18.65 25.12,18.65 25.51,18.26 U2.19
/mega-6502/A13: length 38.3
  Top w0.25: U2.20 24.71,17.79 24.3,18.2 4.29,18.2 2.71,19.77 2.71,27.94 5.34,30.56 U5.4
/mega-6502/A14: length 39.2
  Top w0.25: U2.21 23.91,17.41 23.57,17.75 4.1,17.75 2.31,19.54 2.31,28.73 5.41,31.83 U5.3
/mega-6502/A15: length 39.9
  Top w0.25: U5.2 5.28,33.1 1.91,29.73 1.91,19.3 3.87,17.34 22.15,17.34 U2.22
/mega-6502/AD0: length 28.8
  Bottom w0.25: 23.78,63.17 26.49,60.46 31.13,60.46 40.11,51.47 U1.22
/mega-6502/AD1: length 36.9
  Bottom w0.25: U1.23 49.52,51.44 48.42,50.34 40.58,50.34 30.86,60.06 23.35,60.06 21.24,62.16 U10.3
/mega-6502/AD2: length 37
  Bottom w0.25: U10.15 22.38,59.63 30.71,59.63 41.26,49.08 48.92,49.08 U1.24
/mega-6502/AD3: length 38.1
  Bottom w0.25: U1.25 51.31,49.62 51.33,49.61 49.04,47.32 42.44,47.32 30.53,59.23 24.59,59.23 23.78,58.42 U10.17
/mega-6502/AD4: length 32.3
  Bottom w0.25: 23.78,49.87 23.78,49.17 29.38,43.58 47.01,43.58 U1.26
/mega-6502/AD5: length 39.5
  Bottom w0.25: U1.27 53.11,47.97 48.31,43.18 29.14,43.18 27.48,44.83 25.02,44.83 21.24,48.6 U9.3
/mega-6502/AD6: length 40
  In1.Cu w0.25: U9.15 18.7,45.22 18.69,45.24 19.35,45.9 v1(21.62,45.9)
  Bottom w0.25: U1.28 49.79,42.76 28.98,42.76 27.39,44.36 23.16,44.36 v1(21.62,45.9)
/mega-6502/AD7: length 35.6
  Bottom w0.25: 23.78,41.78 24.93,40.64 27.49,40.64 29.2,42.35 51.04,42.35 54.2,45.51 54.2,47.17 U1.29
/mega-6502/CREF: length 5.9
  Top w0.25: TP32.1 50.24,81.29 U1.79
/mega-6502/DMA: length 46.5
  Top w0.25: 39.75,37.99 40.39,38.62 U3.4 ; 39.81,37.62 39.81,25.99 38.42,24.6 U4.19 ; U5.19 15.77,33.1 16.61,33.94 v1(16.61,34.74)
  Bottom w0.25: v1(16.61,34.74) 32.01,34.74 34.94,37.67 v1(39.75,37.67)
/mega-6502/RA0: length 11.2
  Top w0.25: RN2.2 50.83,83.17 54.33,83.17 54.7,83.54 58.76,83.54 U1.74
/mega-6502/RA1: length 14.2
  Top w0.25: RN2.1 50.09,82.68 54.52,82.68 54.92,83.08 57.49,83.08 60.29,80.27 U1.73
/mega-6502/RA2: length 14.4
  Top w0.25: U1.72 62.09,81.67 59.7,84.07 54.47,84.07 53.99,83.6 51.54,83.6 RN2.3
/mega-6502/RA3: length 19.1
  Top w0.25: U1.71 62.09,78.38 63.39,79.68 63.39,80.94 59.78,84.55 54.19,84.55 53.64,84 52.37,84 RN2.4
/mega-6502/RA4: length 14.9
  Top w0.25: U1.70 63.89,81.01 58,86.9 54.78,86.9 RN3.1
/mega-6502/RA5: length 19.5
  Top w0.25: U1.69 63.89,76.65 65.12,77.88 65.12,80.35 58.12,87.35 55.56,87.35 RN3.2
/mega-6502/RA6: length 17.4
  Top w0.25: U1.68 65.68,80.35 58.17,87.87 56.17,87.87 RN3.3
/mega-6502/RA7: length 22
  Top w0.25: U1.67 65.68,74.78 66.88,75.98 66.88,79.73 58.23,88.38 56.89,88.38 RN3.4
/mega-6502/RAF0: length 81.6
  Top w0.25: U8.6 13.62,78.58 14.52,79.48 32,79.48 38.03,85.51 48.49,85.51 RN2.7
  Bottom w0.25: 13.22,77.27 13.22,80.43 12.54,81.1 12.54,89.09 U7.6 ; U10.6 12.54,62.5 12.54,51.35 U9.6 ; 13.22,63.97 13.22,65.57 12.32,66.47 12.32,75.17 13.62,76.47
/mega-6502/RAF1: length 88.3
  Top w0.25: RN2.8 48.17,84.6 38.29,84.6 28.43,74.74 9.02,74.74 8.54,75.21 U8.8
  Bottom w0.25: 8.54,89.62 7.17,88.25 7.17,78.24 U8.8 7.46,75.79 7.46,64.65 U10.8 7.46,62.5 7.46,51.35 U9.8
/mega-6502/RAF2: length 86.2
  Top w0.25: U8.7 11.08,79.19 11.86,79.97 30.27,79.97 36.52,86.22 48.92,86.22 RN2.6
  Bottom w0.25: U9.7 10,51.35 10,56.85 10.02,56.86 10.02,62.51 U10.7 10,64.65 10,71.08 10.68,71.75 10.68,76.47 ; U8.7 10,77.95 10,89.09 U7.7
/mega-6502/RAF3: length 82.5
  Top w0.25: U7.13 13.62,84.02 14.6,85 29.53,85 31.64,87.11 49.26,87.11 RN2.5
  Bottom w0.25: U7.13 14.7,81.47 14.7,74.45 13.62,73.37 U8.13 13.62,65.5 14.7,64.42 14.7,62.63 13.62,61.55 U10.13 13.62,52.2 14.7,51.12 14.7,43.73 U9.13
/mega-6502/RAF4: length 88.8
  Top w0.25: v1(11.17,85.06) 11.62,85.51 29.47,85.51 33.28,89.32 52.36,89.32 RN3.8
  Bottom w0.25: v1(11.17,85.06) 11.08,84.97 U7.12 ; 11.08,82.02 12.16,80.95 12.16,76.02 11.08,74.95 U8.12 11.08,67.14 12.16,66.07 12.16,62.73 11.08,61.65 U10.12 11.08,52.29 12.16,51.22 12.16,43.73 U9.12
/mega-6502/RAF5: length 92.1
  Top w0.25: U7.11 8.54,85.69 8.86,86.01 29.4,86.01 33.15,89.75 53.16,89.75 RN3.7
  Bottom w0.25: 8.54,70.18 9.62,71.26 9.62,77.72 8.54,78.79 U7.11 ; U8.11 8.54,65.5 9.62,64.42 9.62,57.03 U10.11 8.54,52.2 9.62,51.12 9.62,43.73 U9.11
/mega-6502/RAF6: length 86.4
  Top w0.25: RN3.6 53.89,90.16 32.98,90.16 29.32,86.5 16.69,86.5 v1(16.31,86.88)
  Bottom w0.25: 16.6,69.69 16.6,75.38 17.24,76.02 17.24,81.47 U7.14 16.16,86.73 v1(16.31,86.88) ; U8.14 17.24,68.17 17.24,62.73 16.16,61.65 U10.14 16.16,52.6 17.24,51.53 17.24,43.73 U9.14
/mega-6502/RAF7: length 98
  Top w0.25: RN3.5 54.71,90.56 32.62,90.56 30.47,88.41 6.91,88.41 6,87.5 U7.10
  Bottom w0.25: U7.10 6,78.84 7.08,77.77 7.08,76.02 6,74.95 U8.10 6,65.5 7.08,64.42 7.08,62.73 6,61.65 U10.10 6,52.29 7.08,51.22 7.08,43.73 U9.10
/mega-6502/RGB1: length 78.2
  Top w0.25: v1(93.58,101.92) 93.67,102.01 98.21,102.01
  Bottom w0.25: v1(93.58,101.92) 90.98,101.92 90.11,101.05 90.09,101.05 68.22,79.18 68.22,77.18 58.24,67.2 58.24,44.55
